# Altium PCB PCB.PcbDoc (part 1 of 2) (continued)
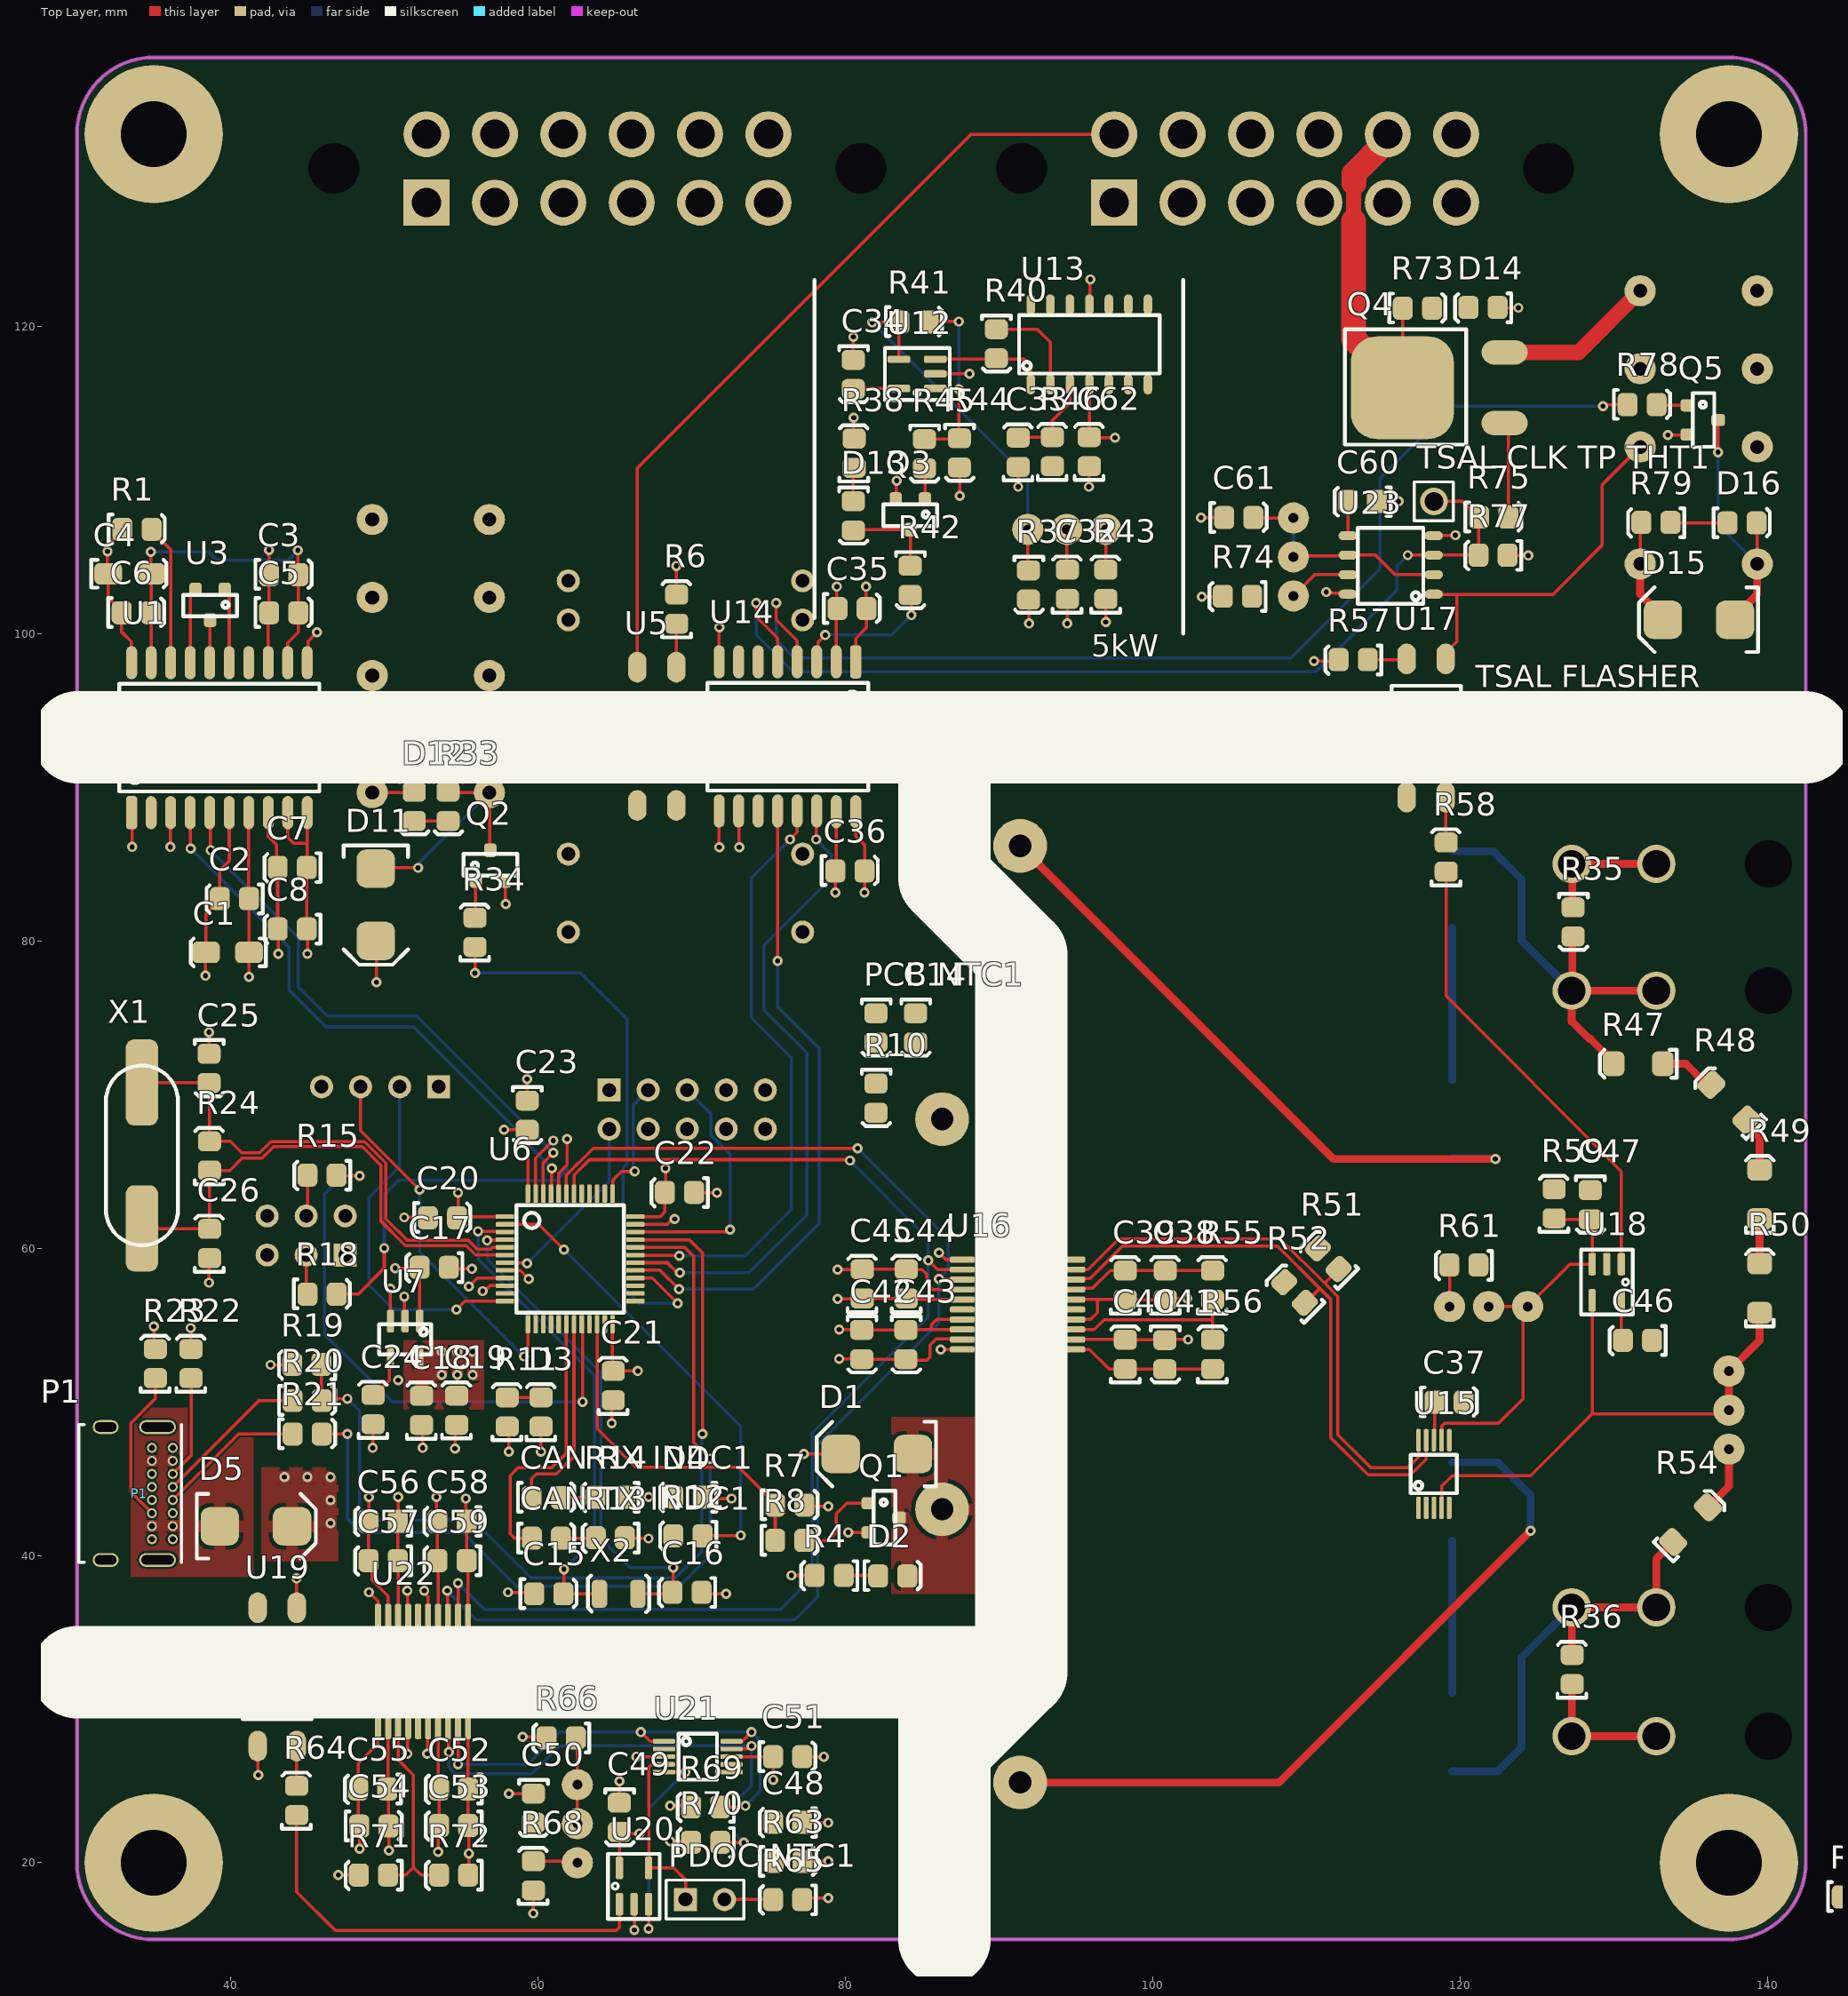
[diagram p0: Top Layer view]
## Classes and differential pairs (continued)

## Components (designator, comment, footprint, x,y, rotation, side; value= is the part's Value field where it differs from the comment)
1 "0mm" "SMD Test Point" 325.12,272.288 r90 top
2 "0mm" "SMD Test Point" 284.861,272.288 r90 top
3 "0mm" "SMD Test Point" 204.597,272.288 r90 top
4 "0mm" "TH Test Point" 298.953,94.631 r180 top
5 "0mm" "TH Test Point" 287.653,97.725 r180 top
BOOT1 "2.54mm" "TH 2.54mm Header 2x3" 47.46,59.553 r180 bottom
C1 "10nF" 1206 38.6,79.25 r180 top
C2 "100nF" 0805 40.238,82.724 r180 top
C3 "100nF" 0805 43.467,103.863 r0 top
C4 "10nF" 1206 34.63,103.892 r0 top
C5 "10uF" 0805 43.467,101.378 r0 top
C6 "100nF" 0805 33.876,101.378 r0 top
C7 "10uF" 0805 44,84.75 r180 top
C8 "100nF" 0805 44,80.75 r180 top
C9 "22pF" 0805 370.446,168.395 r0 top
C10 "100pF" 0805 375.9,156.8 r90 top
C11 "100pF" 0805 369.2,156.8 r90 top
C12 "100pF" 0805 375.921,163.2 r270 top
C13 "100pF" 0805 369.221,163.2 r270 top
C14 "100nF" 0805 84.6,74.323 r270 top
C15 "22pF" 0805 60.712,37.526 r0 top
C16 "22pF" 0805 69.688,37.574 r180 top
C17 "1uF" 0805 53.238,58.724 r180 top
C18 "100nF" 0805 52.4,49.45 r90 top
C19 "1uF" 0805 54.684,49.459 r90 top
C20 "1uF" 0805 53.8,62 r0 top
C21 "100nF" 0805 64.874,51.062 r90 top
C22 "100nF" 0805 69.2,63.6 r180 top
C23 "100nF" 0805 59.326,68.638 r270 top
C24 "22uF" 0805 49.25,49.5 r90 top
C25 "22pF" 0805 38.626,71.688 r270 top
C26 "22pF" 0805 38.605,60.312 r90 top
C27 "10uF" 0805 302.387,270.129 r0 top
C28 "22uF" 1206 307.34,269.875 r90 top
C29 "68uF" 2924 228.727,264.922 r90 top
C30 "22uF" 2924 236.22,264.922 r90 top
C31 "22uF" 1206 221.234,269.875 r90 top
C32 "100nF" 0805 94.424,103.212 r90 top
C33 "22uF" 0805 91.224,111.812 r90 top
C34 "100nF" 0805 80.55,116.85 r270 top
C35 "100nF" 0805 80.45,101.65 r0 top
C36 "100nF" 0805 80.312,84.576 r0 top
C37 "100nF" 0805 119.3,50 r0 top
C38 "10nF" 0805 100.8,57.6 r90 top
C39 "100nF" 0805 98.196,57.6 r90 top
C40 "10uF" 0805 98.196,53.1 r90 top
C41 "100nF" 0805 100.821,53.052 r270 top
C42 "100nF" 0805 81.1,53.713 r270 top
C43 "10uF" 0805 83.97,53.713 r270 top
C44 "100nF" 0805 83.949,57.687 r90 top
C45 "10nF" 0805 81.079,57.687 r90 top
C46 "100nF" 0805 131.538,53.974 r180 top
C47 "100nF" 0805 128.504,62.814 r270 top
C48 "100nF" 0805 76.238,22.6 r180 top
C49 "100nF" 0805 65.326,22.938 r270 top
C50 "100nF" 0805 59.726,23.538 r270 top
C51 "100nF" 0805 76.262,26.926 r0 top
C52 "10nF" 0805 54.5,24.774 r180 top
C53 "100nF" 0805 54.5,22.389 r180 top
C54 "10uF" 0805 49.334,22.41 r0 top
C55 "100nF" 0805 49.238,24.774 r180 top
C56 "100nF" 0805 49.912,42.2 r180 top
C57 "10uF" 0805 49.912,39.636 r180 top
C58 "100nF" 0805 54.401,42.2 r180 top
C59 "10nF" 0805 54.401,39.636 r180 top
C60 "100pF" 0805 113.638,108.574 r180 top
C61 "22uF" 0805 105.612,107.576 r0 top
C62 "100nF" 0805 95.85,111.85 r90 top
"CAN RX INDC1" "Blue" "0805 LED" 60.55,43.795 r0 top
"CAN RX TP1" "0mm" "SMD Test Point" 408.455,141.806 r90 top
"CAN TERM R1" "56R" 0805 370.397,170.807 r180 top
"CAN TERM R2" "56R" 0805 374.467,170.807 r180 top
"CAN TX INDC1" "Blue" "0805 LED" 60.562,41.145 r0 top
"CAN TX TP1" "0mm" "SMD Test Point" 424.457,141.806 r90 top
"CANH TP1" "0mm" "SMD Test Point" 382.547,141.806 r90 top
"CANL TP1" "0mm" "SMD Test Point" 382.7,152.9 r90 top
D1 "SD560BTR" "SMB Diode" 84.15,46.6 r180 top
D2 "Orange" "0805 LED" 83.1,38.695 r0 top
D3 "Red" "0805 LED" 60.179,49.35 r90 top
D4 "Red" "0805 LED" 69.75,43.774 r180 top
D5 "SD560BTR" "SMB Diode" 39.55,41.9 r0 top
D6 "SD560BTR" "SMB Diode" 255.397,265.049 r90 top
D7 "Red" "0805 LED" 192.786,270.129 r0 top
D8 "Red" "0805 LED" 197.993,270.129 r0 top
D9 "Green" "0805 LED" 351.469,529.564 r0 top
D10 "Green" "0805 LED" 298.9,515.7 r180 top
D11 "SD560BTR" "SMB Diode" 49.45,84.45 r270 top
D12 "Green" "0805 LED" 51.976,88.738 r270 top
D13 "Yellow" "0805 LED" 80.55,107.65 r270 top
D14 "Red" "0805 LED" 121.485,121.199 r180 top
D15 "SD560BTR" "SMB Diode" 137.65,100.9 r180 top
D16 "Red" "0805 LED" 138.362,107.226 r0 top
"DIS SIG ISO TP1" "0mm" "SMD Test Point" 163.5,9 r90 top
"DIS SIG TP1" "0mm" "SMD Test Point" 183.116,15.102 r90 top
F1 "0ZCF0100AF2A" 2920 248.793,262.128 r90 top
"GLV+ TP1" "0mm" "SMD Test Point" 288.925,269.875 r90 top
"GLV- TP1" "0mm" "SMD Test Point" 208.661,269.875 r90 top
"HV MC+1" "39300020" 39300020 132.776,76.756 r270 bottom
"HV MC-1" "39300020" 39300020 132.776,36.625 r270 bottom
"HV TEST POINT+1" "39300020" 39300020 132.776,85.006 r270 bottom
"HV TEST POINT-1" "39300020" 39300020 132.776,28.231 r270 bottom
"HVD Bypass1" "2.54mm" "TH 2.54mm Header 1x2" 309.813,526.262 r90 top
K1 "V23105A5475A201" "TI 2-DIL" 53.029,98.535 r90 bottom
K2 "V23105A5475A201" "TI 2-DIL" 135.532,113.42 r90 bottom
L1 "12uH" 1812 242.443,267.843 r90 top
P1 "USB4085-GF-A" USB4085-GF-A 32.206,44.158 r270 top
P2 "DTF13-12P" DTF13-12P 63.864,132.5 r0 bottom
P3 "DTF13-12P" DTF13-12P 108.614,132.5 r0 bottom
"PCB NTC1" "10K (NTC) (B25/85 3430K)" 0805 82.022,74.323 r270 top
"PDOC Bypass1" "2.54mm" "TH 2.54mm Header 1x2" 262.061,526.262 r90 top
"PDOC NTC1" "2.54mm" "TH 2.54mm Header 1x2" 69.6,17.6 r0 top
"PDOC TEMP AMP OUT TP1" "0mm" "SMD Test Point" 159.264,150.19 r270 top
"PDOC TEMP REF TP1" "0mm" "SMD Test Point" 164.1,147.8 r270 top
"POST AMP TP1" "0mm" "TH Test Point" 290.193,14.667 r180 top
PREAMP1 "0mm" "TH Test Point" 290.193,67.88 r180 top
Q1 "2N7002K" "ON SOT-23 MOSFET" 82.5,42.45 r270 top
Q2 "2N7002K" "ON SOT-23 MOSFET" 56.9,84.9 r0 top
Q3 "2N7002K" "ON SOT-23 MOSFET" 84.232,107.751 r180 top
Q4 "STD70N10F4" "STM TO-252 MOSFET" 122.9,118.3 r270 top
Q5 "2N7002K" "ON SOT-23 MOSFET" 135.8,113.9 r270 top
R1 "0R" 0805 33.919,106.813 r0 top
R2 "1k" "B TO-263" 109.3,68.4 r270 bottom
R3 "1k" "B TO-263" 109.3,83.4 r270 bottom
R4 "1.5k" 0805 78.938,38.674 r180 top
R5 "1k" "B TO-263" 109.3,28.501 r270 bottom
R6 "1.5k" 0805 69,101.6 r90 top
R7 "680R" 0805 76.4,43.3 r0 top
R8 "10R" 0805 76.4,41 r0 top
R9 "1k" "B TO-263" 109.3,43.501 r270 bottom
R10 "10k" 0805 82.022,69.75 r270 top
R11 "510R" 0805 57.974,49.35 r90 top
R12 "510R" 0805 69.75,41.25 r180 top
R13 "680R" 0805 64.7,41.124 r180 top
R14 "680R" 0805 64.688,43.774 r180 top
R15 "10k" 0805 45.938,64.724 r180 top
R16 "5.1k" 0805 396.2,456.7 r0 top
R17 "5.1k" 0805 396.43,454.516 r0 top
R18 "10k" 0805 45.962,57.026 r0 top
R19 "1.5k" 0805 44.952,52.4 r180 top
R20 "20R" 0805 45,50.1 r0 top
R21 "20R" 0805 45,47.926 r0 top
R22 "5.1k" 0805 37.4,52.5 r90 top
R23 "5.1k" 0805 35.084,52.5 r90 top
R24 "10M" 0805 38.605,66.012 r90 top
R25 "680R" 0805 181.102,270.129 r0 top
R26 "510R" 0805 186.944,270.129 r0 top
R27 "680R" 0805 339.658,529.564 r0 top
R28 "100R" 0805 333.816,529.564 r0 top
R29 "10k" 0805 327.974,529.564 r0 top
R30 "680R" 0805 298.9,513.3 r180 top
R31 "100R" 0805 297.7,534.15 r90 top
R32 "10k" 0805 300.426,534.102 r270 top
R33 "680R" 0805 54.176,88.738 r270 top
R34 "10R" 0805 55.874,80.562 r90 top
R35 "15k" 0805 127.384,81.217 r270 top
R36 "15k" 0805 127.274,32.587 r90 top
R37 "10k" 0805 91.95,103.15 r270 top
R38 "1.5k" 0805 80.55,111.75 r90 top
R39 "10K (Var)" "B 3296" 94.501,106.226 r0 bottom
R40 "5.6k" 0805 89.85,118.85 r270 top
R41 "1M" 0805 84.484,120.305 r0 top
R42 "100R" 0805 84.25,103.45 r270 top
R43 "10k" 0805 96.924,103.212 r90 top
R44 "3k" 0805 87.45,111.75 r270 top
R45 "10R" 0805 85.176,111.688 r270 top
R46 "5.6k" 0805 93.45,111.85 r90 top
R47 "330K" "VB 0204" 131.6,72 r180 top
R48 "330K" "VB 0204" 137.5,69.5 r135 top
R49 "330K" "VB 0204" 139.5,63.5 r90 top
R50 "330K" "VB 0204" 139.5,57.4 r90 top
R51 "5.6k" 0805 111.4,59.3 r135 top
R52 "5.6k" 0805 109.2,57.1 r135 top
R53 "10K (Var)" "B 3296" 138.059,49.546 r90 bottom
R54 "10K" "VB 0204" 135,42 r45 top
R55 "30k" 0805 103.875,57.6 r90 top
R56 "10k" 0805 103.875,53.1 r90 top
R57 "3k" 0805 113.038,98.274 r180 top
R58 "1.5k" 0805 119.074,85.462 r90 top
R59 "10k" 0805 126.1,62.9 r90 top
R60 "10K (Var)" "B 3296" 121.774,56.759 r180 bottom
R61 "10k" 0805 120.238,58.874 r180 top
R62 "3k" 0805 145.8,17.8 r0 top
R63 "2k" 0805 76.286,20.1 r0 top
R64 "680R" 0805 44.274,24.062 r90 top
R65 "10k" 0805 76.238,17.574 r180 top
R66 "10k" 0805 61.5,28.1 r180 top
R67 "10K (Var)" "B 3296" 62.004,22.446 r270 bottom
R68 "10k" 0805 59.674,19.162 r90 top
R69 "5.6k" 0805 70.9,23.6 r180 top
R70 "5.6k" 0805 70.9,21.3 r180 top
R71 "30k" 0805 49.286,19.174 r180 top
R72 "10k" 0805 54.5,19.174 r180 top
R73 "1.5k" 0805 117.243,121.199 r0 top
R74 "5.1k" 0805 105.5,102.4 r180 top
R75 "10R" 0805 122.2,107.6 r0 top
R76 "10K (Var)" "B 3296" 108.6,104.9 r270 bottom
R77 "20k" 0805 122.138,105.074 r180 top
R78 "10R" 0805 131.862,114.926 r0 top
R79 "1.5k" 0805 132.738,107.205 r180 top
"SENSOR TP1" "0mm" "TH Test Point" 301.493,110.379 r180 top
SERIAL1 "2.54mm" "TH 2.54mm Header 1x4" 53.54,70.5 r180 bottom
STLINK1 "2.54mm" "TH 2.54mm Header 2x5" 64.63,70.29 r0 bottom
"TSAL CLK TP SMD1" "0mm" "SMD Test Point" 317.989,358.745 r90 top
"TSAL CLK TP THT1" "0mm" "TH Test Point" 118.3,108.6 r270 top
"TSAL REF TP1" "0mm" "TH Test Point" 154.401,58.65 r90 top
"TSAL RELAY TP1" "0mm" "SMD Test Point" 203.689,358.745 r90 top
U1 "ADM3053" "AD SOIC-W 20" 39.276,93.222 r0 top
U2 "B82787C0104H002" "TDK 4-PC Pad" 371.331,157.685 r90 top
U3 "NUP2105L" "ON SOT-23" 38.669,101.87 r180 top
U4 "3350-4275-056" "CI SPST" 86.3,55.7 r90 bottom
U5 "LTV-817S-TA1" "ON 4-SMD" 67.737,93.062 r270 top
U6 "STM32F103C8T6" "STM 48-LQFP" 62.1,59.3 r270 top
U7 "RT9193-33GB" "RICHTEK SOT-23-5" 51.3,54.25 r180 top
U8 "R-78C5.0-1.0" "RECOM 3-SIP" 318.77,262.636 r90 top
U9 "JTC0424S05" "24-DIP Module, 7 Leads" 69.6,92 r270 bottom
U10 "LTV-817S-TA1" "ON 4-SMD" 345.881,525.246 r90 top
U11 "LTV-817S-TA1" "ON 4-SMD" 299.145,525.246 r90 top
U12 "TS391ILT" "ON SOT-23-5" 86.825,115.325 r90 top
U13 "LM324D" "TI 14-SOIC" 111.12,113.618 r0 top
U14 "ADuM1400" "AD 16-SOIC" 74.965,93.279 r180 top
U15 "ADS1115" "TI 10-VSSOP" 118.3,45.3 r90 top
U16 "ADM3260" "AD 20-SSOP" 91.206,56.328 r270 top
U17 "LTV-817S-TA1" "ON 4-SMD" 117.8,94.1 r90 top
U18 "TS391ILT" "ON SOT-23-5" 131.125,59.937 r180 top
U19 "LTV-817S-TA1" "ON 4-SMD" 43.036,32.346 r90 top
U20 "TS391ILT" "ON SOT-23-5" 64.675,16.325 r0 top
U21 "ADS1115" "TI 10-VSSOP" 70.4,26.9 r0 top
U22 "ADM3260" "AD 20-SSOP" 52.524,32.446 r180 top
U23 "NE555DR" "TI 8-SOIC" 108.611,105.1 r180 top
X1 "Value" "Abracon HC-49/US" 34.231,66.035 r90 top
X2 "32.768kHz" "EPSON 2-SMD" 65.25,37.5 r0 top

## Footprints (in the part's own frame and the unit in brackets; to place one, negate y for a bottom-side part, rotate by r counter-clockwise, add the part's x,y. Pads: shape width x height; smd on the part's side, far side on the other; paste and mask are expansions set on the pad)
"24-DIP Module, 7 Leads" [mm]
  round 1.5 hole 0.9: 2(-11.43,-7.62) 3(-8.89,-7.62) 9(6.35,-7.62) 11(11.43,-7.62) 14(11.43,7.62) 16(6.35,7.62) 22(-8.89,7.62) 23(-11.43,7.62)
  silkscreen extent -15.88,-10.16 15.88,10.16, body extent -15.88,-10.16 15.87,10.16, height 10.41
0805 [mm]
  rrect50% 1.3x1.5 smd: 1(-0.962,-0.026) 2(0.938,-0.026)
  silkscreen extent -1.85,-0.95 1.8,0.93, body extent -1,-0.65 1,0.66, height 0.73
"0805 LED" [mm]
  rrect50% 1.3x1.5 smd: A(-0.962,-0.026) K(0.938,-0.026)
  silkscreen extent -1.85,-0.95 1.8,0.93, body extent -1.1,-0.62 0.9,0.62, height 1
1206 [mm]
  rrect50% 1.8x1.4 smd: 1(-2.6,0) 2(0.2,0)
  silkscreen extent -3.7,-0.9 1.2,0.9, body extent -2.9,-0.9 0.5,0.9, height 1.85
1812 [mm]
  rrect50% 2.2x3.5 smd: 1(-1.8,0) 2(1.8,0)
  silkscreen extent -3.25,-1.75 3.25,1.75, body extent -2.25,-1.6 2.25,1.6, height 2.5
2920 [mm]
  rrect50% 2.3x5.6 smd: 1(0,0) 2(7.3,0)
  silkscreen extent -1.4,-3 9,3, body extent -0.34,-2.81 7.64,2.81, height 1.14
2924 [mm]
  rrect50% 3x6 smd: 1(-3.75,0) 2(3.85,0)
  silkscreen extent -5.75,-3 6.15,3, body extent -3.94,-2.81 4.04,2.81, height 1.14
39300020 [mm]
  round 2.5 hole 1.8: 1(0,0) 2(0,5.5)
  round 1.524 hole 3.05: ""(0,-7.3)
  body extent -2.7,-13.97 3.1,5.97, height 11.4
"Abracon HC-49/US" [mm]
  rrect50% 5.6x2.1 smd: 1(-4.75,0) 2(4.75,0)
  silkscreen extent -5.85,-2.35 5.85,2.35, body extent -6.35,-2.35 6.35,2.35, height 4.06
"AD 16-SOIC" [mil]
  rrect50% 28x85 smd: 1(-225,-192.02)
  oval 28x85 smd: 2(-175,-192.02) 3(-125,-192.02) 4(-75,-192.02) 5(-25,-192.02) 6(25,-192.02) 7(75,-192.02) 8(125,-192.02) 9(125,190) 10(75,189.96) 11(25,189.96) 12(-25,189.96) 13(-75,189.96) 14(-125,189.96) 15(-175,191.98) 16(-225,191.98)
  silkscreen extent -257,-138 155,138, body extent -256,-209 156,209, height 104
"AD 20-SSOP" [mm]
  rrect50% 0.4x1.6 smd: 1(-2.925,-3.6) 2(-2.275,-3.6) 3(-1.625,-3.6) 4(-0.975,-3.6) 5(-0.325,-3.6) 6(0.325,-3.6) 7(0.975,-3.6) 8(1.625,-3.6) 9(2.275,-3.6) 10(2.925,-3.6) 11(2.925,3.6) 12(2.275,3.6) 13(1.625,3.6) 14(0.975,3.6) 15(0.325,3.6) 16(-0.325,3.6) 17(-0.975,3.6) 18(-1.625,3.6) 19(-2.275,3.6) 20(-2.925,3.6)
  silkscreen extent -3.5,-2.5 3.5,2.5, body extent -3.64,-3.9 3.56,3.9, height 1.2
"AD SOIC-W 20" [mil]
  rrect50% 28x85 smd: 1(-225,-192.02)
  oval 28x85 smd: 2(-175,-192.02) 3(-125,-192.02) 4(-75,-192.02) 5(-25,-192.02) 6(25,-192.02) 7(75,-192.02) 8(125,-192.02) 9(175,-192.02) 10(225,-192.02) 11(225,192.02) 12(175,191.98) 13(125,191.98) 14(75,191.98) 15(25,191.98) 16(-25,191.98) 17(-75,191.98) 18(-125,191.98) 19(-175,191.98) 20(-225,191.98)
  silkscreen extent -257,-138 256,138, body extent -260,-210 260,210, height 105
"B 3296" [mil]
  round 80 hole 25.2: 1(-103.39,-22) 2(-3.39,-22) 3(96.61,-22)
  silkscreen extent -193,-97 187,143, body extent -191,-97 184,143, height 455
"B TO-263" [mm]
  rrect50% 2x3.8 smd: 1(-2.55,-10.2) 2(2.55,-10.2)
  rrect50% 12.7x11.4 smd: ""(0,0)
  silkscreen extent -6.8,-10.56 6.75,6.1, body extent -5.19,-11.02 5.45,4.83, height 4.8
"CI SPST" [mm]
  round 3.5 hole 1.45: 1(30.48,5.08) 2(12.7,0) 3(-12.7,0) 4(-30.48,5.08)
  silkscreen extent -38.73,-8.26 38.73,13.97, body extent -38.1,-4.45 38.1,13.34, height 20.57
DTF13-12P [mm]
  round 3 hole 3.3 unplated: 0(-17.145,2.22) 0(17.145,2.22)
  rect 3x3 hole 1.9: 1(-11.114,4.45)
  round 3 hole 1.9: 2(-6.664,4.45) 3(-2.214,4.45) 4(2.236,4.45) 5(6.686,4.45) 6(11.136,4.45) 7(11.136,0) 8(6.686,0) 9(2.236,0) 10(-2.214,0) 11(-6.664,0) 12(-11.114,0)
  silkscreen extent -15.56,-4.45 15.59,-4.45, body extent -20.79,-27.74 20.79,6.55, height 26.13
"EPSON 2-SMD" [mm]
  rrect50% 1x1.8 smd: 1(-1.25,0) 2(1.25,0)
  silkscreen extent -2,-1.2 2,1.2, body extent -1.5,-1 1.5,1, height 1
"ON 4-SMD" [mm] "SOP, 4-Leads, Body 3.85x4.4mm, Pitch 2.54mm, IPC Medium Density"
  oval 2x1.2 smd: 1(-4.75,1.27) 2(-4.75,-1.27) 3(4.25,-1.27) 4(4.25,1.27)
  silkscreen extent -3,-2.25 2.5,2.25, body extent -5.33,-2.3 4.83,2.3, height 4.6
"ON SOT-23" [mm] "NUP2105L"
  rrect50% 0.8x0.9 smd: 1(-0.95,-1) 2(0.95,-1) 3(0,1)
  silkscreen extent -1.75,-0.65 1.75,0.75, body extent -1.5,-1.27 1.5,1.28, height 1
"ON SOT-23 MOSFET" [mm] "NUP2105L"
  rrect50% 0.8x0.9 smd: D(0,1) G(-0.95,-1) S(0.95,-1)
  silkscreen extent -1.75,-0.65 1.75,0.75, body extent -1.5,-1.27 1.5,1.28, height 1
"ON SOT-23-5" [mil]
  rrect50% 19x58 smd: 1(24.61,38.39) 2(62.01,38.39) 3(99.41,38.39) 4(99.41,131.39) 5(24.61,131.39)
  silkscreen extent -5,1 128,167, body extent 2,27 122,145, height 57
"RECOM 3-SIP" [mm] "12 to 42 Vdc In, 9 Vdc Out"
  rect 1.75x1.75 hole 1: 1(0,0)
  round 1.75 hole 1: 2(2.54,0) 3(5.08,0)
  silkscreen extent -3.5,-2 8.5,6.5, body extent -3.26,-2.02 8.34,6.48, height 11.41
"RICHTEK SOT-23-5" [mil]
  rrect50% 19x58 smd: 1(-39.37,-39.37) 2(-1.97,-39.37) 3(35.43,-39.37) 4(35.43,53.63) 5(-39.37,53.63)
  silkscreen extent -69,-31 64,46, body extent -62,-51 58,67, height 57
"SMB Diode" [mm]
  rrect50% 2.5x2.5 smd: A(-0.25,0) K(4.45,0)
  silkscreen extent -1.75,-2.1 6,2.1, body extent -0.69,-1.97 4.9,1.97, height 2.5
"SMD Test Point" [mm]
  round 1.8 smd: 1(0,0)
  silkscreen extent -1.27,-1.27 1.27,1.27
"STM 48-LQFP" [mm]
  rrect50% 0.3x1.2 smd: 1(-2.75,-4.25) 2(-2.25,-4.25) 3(-1.75,-4.25) 4(-1.25,-4.25) 5(-0.75,-4.25) 6(-0.25,-4.25) 7(0.25,-4.25) 8(0.75,-4.25) 9(1.25,-4.25) 10(1.75,-4.25) 11(2.25,-4.25) 12(2.75,-4.25) 25(2.75,4.25) 26(2.25,4.25) 27(1.75,4.25) 28(1.25,4.25) 29(0.75,4.25) 30(0.25,4.25) 31(-0.25,4.25) 32(-0.75,4.25) 33(-1.25,4.25) 34(-1.75,4.25) 35(-2.25,4.25) 36(-2.75,4.25)
  rrect50% 1.2x0.3 smd: 13(4.25,-2.75) 14(4.25,-2.25) 15(4.25,-1.75) 16(4.25,-1.25) 17(4.25,-0.75) 18(4.25,-0.25) 19(4.25,0.25) 20(4.25,0.75) 21(4.25,1.25) 22(4.25,1.75) 23(4.25,2.25) 24(4.25,2.75) 37(-4.25,2.75) 38(-4.25,2.25) 39(-4.25,1.75) 40(-4.25,1.25) 41(-4.25,0.75) 42(-4.25,0.25) 43(-4.25,-0.25) 44(-4.25,-0.75) 45(-4.25,-1.25) 46(-4.25,-1.75) 47(-4.25,-2.25) 48(-4.25,-2.75)
  silkscreen extent -3.5,-3.5 3.5,3.5, body extent -4.6,-4.6 4.6,4.6, height 1.6
"STM TO-252 MOSFET" [mm]
  rrect50% 6.7x6.7 smd: D(2.3,-6.65)
  oval 1.6x3 smd: G(4.6,0) S(0,0)
  silkscreen extent -1.5,-10.4 6,-2.5, body extent -1.08,-9.67 5.64,0.75, height 2.39
"TDK 4-PC Pad" [mm]
  rrect50% 1.35x0.9 smd: 1(0,0) 2(0,-2.5) 3(4.55,-2.5) 4(4.55,0)
  silkscreen extent -1,-3.2 5.5,0.7, body extent -0.02,-2.82 4.48,0.38, height 2.8
"TH 2.54mm Header 1x2" [mm]
  rect 1.5x1.5 hole 0.9: 1(0,0)
  round 1.5 hole 0.9: 2(2.54,0)
  silkscreen extent -1.27,-1.27 3.81,1.27
"TH 2.54mm Header 1x4" [mm]
  rect 1.5x1.5 hole 0.9: 1(0,0)
  round 1.5 hole 0.9: 2(2.54,0) 3(5.08,0) 4(7.62,0)
  silkscreen extent -1.27,-1.27 8.89,1.27
"TH 2.54mm Header 2x3" [mm]
  rect 1.5x1.5 hole 0.9: 1(0,0)
  round 1.5 hole 0.9: 2(0,2.54) 3(2.54,0) 4(2.54,2.54) 5(5.08,0) 6(5.08,2.54)
  silkscreen extent -1.27,-1.27 6.35,3.81
"TH 2.54mm Header 2x5" [mm]
  rect 1.5x1.5 hole 0.9: 1(0,0)
  round 1.5 hole 0.9: 2(0,2.54) 3(2.54,0) 4(2.54,2.54) 5(5.08,0) 6(5.08,2.54) 7(7.62,0) 8(7.62,2.54) 9(10.16,0) 10(10.16,2.54)
  silkscreen extent -1.27,-1.27 11.43,3.81
"TH Test Point" [mm]
  round 1.8 hole 1.2: 1(0,0)
  silkscreen extent -1.27,-1.27 1.27,1.27
"TI 2-DIL" [mil]
  round 80 hole 35.43: 1(-350,-150) 4(-50,-150) 6(150,-150) 8(350,-150) 9(350,150) 11(150,150) 13(-50,150) 16(-350,150)
  silkscreen extent -400,-200 400,200, body extent -398,-197 398,197, height 450
"TI 8-SOIC" [mm]
  oval 1.2x0.6 smd: 1(-9.677,2.54) 2(-9.677,1.27) 3(-9.677,0) 4(-9.677,-1.27) 5(-4.089,-1.27) 6(-4.089,0) 7(-4.089,1.27) 8(-4.089,2.54)
  silkscreen extent -9,-1.78 -4.75,3.18, body extent -9.96,-1.87 -3.76,3.14, height 1.76
"TI 10-VSSOP" [mm]
  rrect50% 1.45x0.3 smd: 1(-2.2,1) 2(-2.2,0.5) 3(-2.2,0) 4(-2.2,-0.5) 5(-2.2,-1) 6(2.2,-1) 7(2.2,-0.5) 8(2.2,0) 9(2.2,0.5) 10(2.2,1)
  silkscreen extent -1.25,-1.5 1.25,1.5, body extent -2.45,-1.5 2.45,1.5, height 1.12
"TI 14-SOIC" [mil]
  oval 22x52 smd: 1(-750,102.36) 2(-700,102.36) 3(-650,102.36) 4(-600,102.36) 5(-550,102.36) 6(-500,102.36) 7(-450,102.36) 8(-450,307.09) 9(-500,307.09) 10(-550,307.09) 11(-600,307.09) 12(-650,307.09) 13(-700,307.09) 14(-750,307.09)
  silkscreen extent -780,130 -420,280, body extent -770,86 -430,323, height 69
USB4085-GF-A [mm]
  round 0.65 hole 0.4: A1(-2.848,4.025) A4(-1.998,4.025) A5(-1.148,4.025) A6(-0.298,4.025) A7(0.552,4.025) A8(1.402,4.025) A9(2.252,4.025) A12(3.102,4.025) B1(3.102,2.675) B4(2.252,2.675) B5(1.402,2.675) B6(0.552,2.675) B7(-0.298,2.675) B8(-1.148,2.675) B9(-1.998,2.675) B12(-2.848,2.675)
  oval 0.9x2.4 hole 0.6 slot 2.1 at 90 deg: P1(-4.198,3.045) P2(4.452,3.045)
  oval 0.9x1.7 hole 0.6 slot 1.4 at 90 deg: P3(4.452,-0.335) P4(-4.198,-0.335)
  silkscreen extent -4.35,-2.07 4.6,4.58, body extent -4.39,-4.56 4.64,4.61, height 3.46
"VB 0204" [mm]
  rrect50% 1.4x1.6 smd: 1(-1.6,0) 2(1.6,0)
  silkscreen extent -2.5,-0.9 2.5,0.9, body extent -1.8,-0.7 1.8,0.7, height 1.4

## Part data
1 2 3 "CAN RX TP1" "CAN TX TP1" "CANH TP1" "CANL TP1" "DIS SIG ISO TP1" "DIS SIG TP1" "GLV+ TP1" "GLV- TP1" "PDOC TEMP AMP OUT TP1" "PDOC TEMP REF TP1" "TSAL CLK TP SMD1" "TSAL RELAY TP1": library part "SMD Test Point", Angle=0, Contact=NA, Flange=No, Part Number="SMD Test Point", Pitch=0mm, Positions=1, Row Spacing=0
4 5 "POST AMP TP1" PREAMP1 "SENSOR TP1" "TSAL CLK TP THT1" "TSAL REF TP1": library part "TH Test Point", Angle=0, Contact=NA, Flange=No, Part Number="TH Test Point", Pitch=0mm, Positions=1, Row Spacing=0mm
BOOT1: library part "TH 2.54mm Header 2x3", Angle=0, Contact=NA, Flange=No, Part Number="TH 2.54mm Header 2x3", Pitch=2.54mm, Positions=6, Row Spacing=2.54mm
C1 C4: library part GCM3195C2A103JA16D, Digikey Part Number=490-4978-2-ND, Manufacturer=muRata, Rated Voltage=100V, Tolerance=5%, Material=Ceramic, Part Number=GCM3195C2A103JA16D
C2 C3 C6 C8 C14 C18 C21 C22 C23 C32 C34 C35 C36 C37 C39 C41 C42 C44 C46 C47 C48 C49 C50 C51 C53 C55 C56 C58 C62: library part GCM21BR71E104KA37L, Manufacturer=muRata, Rated Voltage=25V, Tolerance=10%, Material=X7R, Part Number=GCM21BR71E104KA37L
C5 C7 C27 C40 C43 C54 C57: library part GRM21BR6YA106KE43L, Digikey Part Number=490-10514-6-ND, Manufacturer=muRata, Rated Voltage=50V, Tolerance=10%, Material=X5R, Part Number=GRM21BR6YA106KE43L
C9 C15 C16 C25 C26: library part GCM21B5C1H220JA37L, Manufacturer=muRata, Rated Voltage=50V, Tolerance=5%, Material=C0G, Part Number=GCM21B5C1H220JA37L
C10 C11 C12 C13 C60: library part GCM21B5C1H101JA37L, Manufacturer=muRata, Rated Voltage=50V, Tolerance=5%, Material=C0G, Part Number=GCM21B5C1H101JA37L
C17 C19 C20: library part AC0805KKX7R8BB105, Manufacturer=YAGEO, Rated Voltage=25V, Tolerance=10%, Material=X7R, Part Number=AC0805KKX7R8BB105
C24 C33 C61: library part GRM21BR61A226ME51L, Digikey Part Number=490-10511-1-ND, Manufacturer=muRata, Rated Voltage=10V, Tolerance=20%, Material=X5R, Part Number=GRM21BR61A226ME51L
C28 C31: library part CC1206MKX5R7BB226, Digikey Part Number=311-1997-2-ND, Manufacturer=YAGEO, Rated Voltage=16V, Tolerance=20%, Material=Ceramic, Part Number=CC1206MKX5R7BB226
C29: library part TAJV686K035RNJ, Digikey Part Number=478-13135-1-ND, Manufacturer="AVX Corporation", Rated Voltage=35V, Tolerance=10%, Material=Tantalum, Part Number=TAJV686K035RNJ
C30: library part TAJV226K050RNJ, Digikey Part Number=478-5811-1-ND, Manufacturer="AVX Corporation", Rated Voltage=50V, Tolerance=10%, Material=Tantalum, Part Number=TAJV226K050RNJ
C38 C45 C52 C59: library part GCM21BR71H103KA37L, Manufacturer=muRata, Rated Voltage=50V, Tolerance=10%, Material=X7R, Part Number=GCM21BR71H103KA37L
"CAN RX INDC1" "CAN TX INDC1": library part SML-MN2BCTT86C, "LED BLUE CLEAR 2012 SMD", Digikey Part Number=846-1207-1-ND, Manufacturer="ROHM Semiconductor", Colour=Blue, Digikey Link=https://www.digikey.com/product-detail/en/rohm-semiconductor/SMLMN2BCTT86C/846-1207-1-ND/6057239, Part Number=SML-MN2BCTT86C
"CAN TERM R1" "CAN TERM R2": library part RC0805FR0756RL, Manufacturer=YAGEO, Rated Voltage=0.125W, Tolerance=0.01, Material=FR-07, Part Number=RC0805FR0756RL
D1 D5 D6 D11 D15: "1.2V_F 600V 5A SMB", Digikey Part Number=1655-1530-2-ND, Manufacturer="SMC Diode Solutions", Digikey Link=https://www.digikey.com/product-detail/en/smc-diode-solutions/SD560BTR/1655-1530-2-ND/6022620, Part Number=SD560BTR
D2: library part SML-211DTT86, "Orange LED Indication - Discrete 1.75V 0805 (2012 Metric)", Digikey Part Number=511-1291-1-ND, Manufacturer="ROHM Semiconductor", Colour=Orange, Digikey Link=https://www.digikey.com/product-detail/en/rohm-semiconductor/SML-211DTT86/511-1291-1-ND/637104, Part Number=SML-211DTT86
D3 D4 D7 D8 D14 D16: library part SML-210LTT86, "Red LED Indication - Discrete 1.75V 0805 (2012 Metric)", Digikey Part Number=511-1286-1-ND, Manufacturer="ROHM Semiconductor", Colour=Red, Digikey Link=https://www.digikey.com/product-detail/en/rohm-semiconductor/SML-210LTT86/511-1286-1-ND/637099, Part Number=SML-210LTT86
D9 D10 D12: library part SML-210FTT86, "Green LED Indication - Discrete 1.75V 0805 (2012 Metric)", Digikey Part Number=511-1285-1-ND, Manufacturer="ROHM Semiconductor", Colour=Green, Digikey Link=https://www.digikey.com/product-detail/en/rohm-semiconductor/SML-210FTT86/511-1285-1-ND/637098, Part Number=SML-210FTT86
D13: library part SML-211YTT86, "Yellow LED Indication - Discrete 1.75V 0805 (2012 Metric)", Digikey Part Number=511-1293-1-ND, Manufacturer="ROHM Semiconductor", Colour=Yellow, Digikey Link=https://www.digikey.com/product-detail/en/rohm-semiconductor/SML-211YTT86/511-1293-1-ND/637106, Part Number=SML-211YTT86
F1: "PTC RESET FUSE 60V 1A 292", Digikey Part Number=507-2070-1-ND, Manufacturer="Littelfuse Inc.", Digikey Link=https://www.digikey.com/product-detail/en/bel-fuse-inc/0ZCF0100AF2A/507-2070-1-ND/6210547, Part Number=0ZCF0100AF2A
"HV MC+1" "HV MC-1" "HV TEST POINT+1" "HV TEST POINT-1": Digikey Part Number=WM21351-ND, Angle=90, Contact=Tin, Flange=No, Part Number=39300020, Pitch=4.2mm, Positions=2, Row Spacing=5.5mm
"HVD Bypass1" "PDOC Bypass1" "PDOC NTC1": library part "TH 2.54mm Header 1x2", Angle=0, Contact=NA, Flange=No, Part Number="TH 2.54mm Header 1x2", Pitch=2.54mm, Positions=2, Row Spacing=2.54mm
K1 K2: "5V DPDT Relay 3A 220VDC", Digikey Part Number=PB383-ND, Manufacturer=Axicom, Digikey Link=https://www.digikey.com/products/en?mpart=V23105A5001A201&v=41, Part Number=V23105A5475A201
L1: library part RLS-126, Digikey Part Number=945-3429-ND, Manufacturer=Recom, Rated Current=800mA, Tolerance=0.2, Impedence=230mOhm, Inductance=12uH, Material=Wirewound, Part Number=RLS-126
P1: "USB - C (Type - C) USB 2.0 Receptacle Connector 16 Position Through Hole, Right Angle", Digikey Part Number=2073-USB4085-GF-ACT-ND, Angle=90, Digikey Link=https://www.digikey.ee/product-detail/en/gct/USB4085-GF-A/2073-USB4085-GF-ACT-ND/9859733, Part Number=USB4085-GF-A
P2 P3: library part DTF13-12P[[/\]]DTF13-12P, Digikey Part Number=1734-1861-ND, Angle=90, Contact=Nickel, Digikey Link=https://www.digikey.com/product-detail/en/te-connectivity-deutsch-connectors/DTF13-12PA/1734-1861-ND/9744662, Flange=Yes, Part Number=DTF13-12P, Pitch=4.45mm, Positions=12, Row Spacing=4.45mm
"PCB NTC1": library part NTCS0805E3103FLT, Digikey Part Number=BC2733CT-ND, Manufacturer="Vishay Beyschlag", Rated Voltage=210mW, Tolerance=0.01, Part Number=NTCS0805E3103FLT
Q1 Q2 Q3 Q5: "60V 380mA, NFET MOSTFET (Small Signal)", Digikey Part Number=2N7002KCT-ND, Manufacturer="ON Semiconductor", Digikey Link=https://www.digikey.com/product-detail/en/on-semiconductor/2N7002K/2N7002KCT-ND/2060375, LatestRevisionDate=29-May-2009, LatestRevisionNote="IPC-7351 Footprint Added.", PackageDescription="4-Pin SOT-343 Package 1.3 mm Pitch, 2.1 mm Lead Span", PackageReference=SOT-343, PackageVersion=Sep-2000, Part Number=2N7002K, Published=24-Mar-1999, Publisher="Altium Limited", Qty=30
Q4: "N-Channel 100V 60A (Tc) 125W (Tc) Surface Mount DPAK", Digikey Part Number=497-8806-2-ND, Manufacturer=STMicroelectronics, Digikey Link=https://www.digikey.com/product-detail/en/stmicroelectronics/STD70N10F4/497-8806-2-ND/2035599, LatestRevisionDate=29-May-2009, LatestRevisionNote="IPC-7351 Footprint Added.", PackageDescription="4-Pin SOT-343 Package 1.3 mm Pitch, 2.1 mm Lead Span", PackageReference=SOT-343, PackageVersion=Sep-2000, Part Number=STD70N10F4, Published=24-Mar-1999, Publisher="Altium Limited"
R1: library part RC0805FR070RL, Manufacturer=YAGEO, Rated Voltage=0.125W, Tolerance=0.01, Material=FR-07, Part Number=RC0805FR070RL
R2 R3 R5 R9: library part PWR263S-35-1001J, Digikey Part Number=PWR263S-35-1001J-ND, Manufacturer="Bournes Inc", Rated Voltage=35W, Tolerance=0.05, Part Number=PWR263S-35-1001J
R4 R6 R19 R38 R58 R73 R79: library part RC0805FR071K5L, Manufacturer=YAGEO, Rated Voltage=0.125W, Tolerance=0.01, Material=FR-07, Part Number=RC0805FR071K5L
R7 R13 R14 R25 R27 R30 R33 R64: library part RC0805FR07680RL, Manufacturer=YAGEO, Rated Voltage=0.125W, Tolerance=0.01, Material=FR-07, Part Number=RC0805FR07680RL
R8 R34 R45 R75 R78: library part RC0805FR0710RL, Manufacturer=YAGEO, Rated Voltage=0.125W, Tolerance=0.01, Material=FR-07, Part Number=RC0805FR0710RL
R10 R15 R18 R29 R32 R37 R43 R56 R59 R61 R65 R66 R68 R72: library part RC0805FR0710KL, Manufacturer=YAGEO, Rated Voltage=0.125W, Tolerance=0.01, Material=FR-07, Part Number=RC0805FR0710KL
R11 R12 R26: library part RC0805FR07510RL, Manufacturer=YAGEO, Rated Voltage=0.125W, Tolerance=0.01, Material=FR-07, Part Number=RC0805FR07510RL
R16 R17 R22 R23 R74: library part RC0805FR075K1L, Manufacturer=YAGEO, Rated Voltage=0.125W, Tolerance=0.01, Material=FR-07, Part Number=RC0805FR075K1L
R20 R21: library part RC0805FR0720RL, Manufacturer=YAGEO, Rated Voltage=0.125W, Tolerance=0.01, Material=FR-07, Part Number=RC0805FR0720RL
R24: library part RC0805FR0710ML, Manufacturer=YAGEO, Rated Voltage=0.125W, Tolerance=0.01, Material=FR-07, Part Number=RC0805FR0710ML
R28 R31 R42: library part RC0805FR07100RL, Manufacturer=YAGEO, Rated Voltage=0.125W, Tolerance=0.01, Material=FR-07, Part Number=RC0805FR07100RL
R35 R36: library part RC0805FR0715KL, Manufacturer=YAGEO, Rated Voltage=0.125W, Tolerance=0.01, Material=FR-07, Part Number=RC0805FR0715KL
R39 R53 R60 R67 R76: library part 3296W-1-103LF, Digikey Part Number=3296W-103LF-ND, Manufacturer="Bournes Inc", Rated Voltage=0.5W, Tolerance=0.1, Part Number=3296W-1-103LF
R40 R46 R51 R52 R69 R70: library part RC0805FR075K6L, Manufacturer=YAGEO, Rated Voltage=0.125W, Tolerance=0.01, Material=FR-07, Part Number=RC0805FR075K6L
R41: library part RC0805FR071ML, Manufacturer=YAGEO, Rated Voltage=0.125W, Tolerance=0.01, Material=FR-07, Part Number=RC0805FR071ML
R44 R57 R62: library part RC0805FR073KL, Manufacturer=YAGEO, Rated Voltage=0.125W, Tolerance=0.01, Material=FR-07, Part Number=RC0805FR073KL
R47 R48 R49 R50: library part MMA02040C3303FB300, Digikey Part Number=MMA-330KACT-ND, Manufacturer="Vishay Beyschlag", Rated Voltage=0.4W, Tolerance=0.01, Part Number=MMA02040C3303FB300
R54: library part MMA02040C1002FB300, Digikey Part Number=MMA-10KACT-ND, Manufacturer="Vishay Beyschlag", Rated Voltage=0.4W, Tolerance=0.01, Part Number=MMA02040C1002FB300
R55 R71: library part RC0805FR0730KL, Manufacturer=YAGEO, Rated Voltage=0.125W, Tolerance=0.01, Material=FR-07, Part Number=RC0805FR0730KL
R63: library part RC0805FR072KL, Manufacturer=YAGEO, Rated Voltage=0.125W, Tolerance=0.01, Material=FR-07, Part Number=RC0805FR072KL
R77: library part RC0805FR0720KL, Manufacturer=YAGEO, Rated Voltage=0.125W, Tolerance=0.01, Material=FR-07, Part Number=RC0805FR0720KL
SERIAL1: library part "TH 2.54mm Header 1x4", Angle=0, Contact=NA, Flange=No, Part Number="TH 2.54mm Header 1x4", Pitch=2.54mm, Positions=4, Row Spacing=2.54mm
STLINK1: library part "TH 2.54mm Header 2x5", Angle=0, Contact=NA, Flange=No, Part Number="TH 2.54mm Header 2x5", Pitch=2.54mm, Positions=10, Row Spacing=2.54mm
U1: "Isolated CAN Transceiver", Digikey Part Number=ADM3053BRWZ-ND, Manufacturer="Analogue Devices", Digikey Link=https://www.digikey.com/product-detail/en/analog-devices-inc/ADM3053BRWZ/ADM3053BRWZ-ND/2709332, Part Number=ADM3053
U2: "100µH @ 100kHz 2 Line Common Mode Choke Surface Mount 5.8 kOhms @ 10MHz 150mA DCR 2Ohm", Digikey Part Number=495-4598-1-ND, Inductance="100µH @ 100kHz", Manufacturer="EPCOS (TDK)", Rated Current=150mA, Digikey Link=https://www.digikey.com/product-detail/en/epcos-tdk/B82787C0104H002/495-4598-2-ND/3680998, Impedence="5.8 kOhms @ 10MHz", Material=Wirewound, Part Number=B82787C0104H002
U3: "Dual Line CAN Bus Protector", Digikey Part Number=NUP2105LT1GOSCT-ND, Manufacturer="ON Semiconductor", Digikey Link=https://www.digikey.com/product-detail/en/on-semiconductor/NUP2105LT1G/NUP2105LT1GOSCT-ND/1485001, Part Number=NUP2105L
U4: "RELAY REED HV SPST 200W 3A 5V (NC)", Digikey Part Number=1835-1039-ND, Manufacturer="Comus International", Digikey Link=https://www.digikey.com.au/product-detail/en/comus-international/3350-4275-056/1835-1039-ND/7515921, Part Number=3350-4275-056
U5 U10 U11 U17 U19: "35V 50ma Optocoupler (VF=1.2V)", Digikey Part Number=160-1893-2-ND, Manufacturer="Lite-On Inc", Digikey Link=https://www.digikey.com/product-detail/en/lite-on-inc/LTV-817S-TA1/160-1893-2-ND/388451, Part Number=LTV-817S-TA1
U6: "ARM® Cortex®-M3 STM32F1 Microcontroller IC 32-Bit 72MHz 64KB (64K x 8) FLASH", Digikey Part Number=497-6063-ND, Manufacturer=STMicroelectronics, Digikey Link=https://www.digikey.com/product-detail/en/stmicroelectronics/STM32F103C8T6/497-6063-ND/1646338, Part Number=STM32F103C8T6
U7: "IC REG LINEAR 3.3V 300MA SOT23-5", Digikey Part Number=1028-1014-1-ND, Manufacturer=Richtek, Digikey Link=https://www.digikey.com/products/en?keywords=1028-1014-1-ND, Part Number=RT9193-33GB
U8: "CONV DC/DC 1A 5V OUT SIP VERT", Digikey Part Number=945-1395-5-ND, Manufacturer=Recom, Digikey Link=https://www.digikey.com.au/product-detail/en/recom-power/R-78C5.0-1.0/945-1395-5-ND/2652148, Isolation=Non-Isolated, Part Number=R-78C5.0-1.0
U9: "DC DC CONVERTER 5V 4W", Digikey Part Number=JTC0424S05-ND, Input Voltage=9V-36V, Manufacturer="XP Power", Output Power=4W, Output Voltage=5V, Digikey Link=https://www.digikey.com/products/en?keywords=%20JTC0424S05, Efficiency=0.79, Isolation=Isolated, Part Number=JTC0424S05
U12 U18 U20: "IC COMP LO PWR SGL V SOT 23-5L", Digikey Part Number=497-2275-2-ND, Manufacturer=STMicroelectronics, Digikey Link=https://www.digikey.com/product-detail/en/stmicroelectronics/TS391ILT/497-2275-2-ND/599407, Part Number=TS391ILT
U13: "IC OPAMP GP 4 CIRCUIT 14SOIC", Digikey Part Number=296-1390-5-ND, Manufacturer="Texas Instruments", Digikey Link=https://www.digikey.com/product-detail/en/texas-instruments/LM324D/296-1390-5-ND/277039, Part Number=LM324D
U14: "General Purpose Digital Isolator 2500Vrms 4 Channel 1Mbps 25kV/µs CMTI 16-SOIC (0.295\", 7.50mm Width)", Digikey Part Number=ADUM1400WSRWZ-ND, Manufacturer="Analog Devices", Digikey Link=https://www.digikey.com/product-detail/en/analog-devices-inc/ADUM1400WSRWZ/ADUM1400WSRWZ-ND/1873713, Part Number=ADuM1400
U15 U21: "16 Bit Analog to Digital Converter 2, 4 Input 1 Sigma-Delta 10-VSSOP", Digikey Part Number=296-38849-1-ND, Manufacturer="Texas Instruments", Digikey Link=https://www.digikey.com/product-detail/en/texas-instruments/ADS1115IDGSR/296-38849-1-ND/5142969, Part Number=ADS1115
U16 U22: "I²C Digital Isolator 2500Vrms 2 Channel 25kV/µs CMTI 20-SSOP (0.209\", 5.30mm Width)", Digikey Part Number=ADM3260ARSZ-RL7CT-ND, Manufacturer="Analog Devices", Digikey Link=https://www.digikey.com/product-detail/en/analog-devices-inc/ADM3260ARSZ-RL7/ADM3260ARSZ-RL7CT-ND/5233040, Part Number=ADM3260
U23: "IC OSC SGL TIMER 100KHZ 8-SOIC", Digikey Part Number=296-6501-1-ND, Manufacturer="Texas Instruments", Digikey Link=https://www.digikey.com.au/product-detail/en/texas-instruments/NE555DR/296-6501-1-ND/372490, Part Number=NE555DR
X1: library part ABLS-16.000MHZ-B4-T, Digikey Part Number=535-10226-1-ND, Load Capacitance=18pF, Manufacturer="Abracon LLC", Digikey Link=https://www.digikey.com/product-detail/en/abracon-llc/ABLS-16.000MHZ-B4-T/535-10226-1-ND/2184261, ESR=40R, Part Number=ABLS-16.000MHZ-B4-T
X2: library part "FC-135 32.7680KA-A5", Digikey Part Number=SER4103TR-ND, Load Capacitance=12.5pF, Manufacturer=EPSON, Digikey Link=https://www.digikey.com/product-detail/en/epson/FC-135-32.7680KA-A5/SER4103TR-ND/5259895, ESR=70k, Part Number="FC-135 32.7680KA-A5"

## Free pads (board coordinates)
  round 9 hole 4.3: 0(35,132.5) 2(137.5,132.5) 3(137.5,20) 4(35,20)

## Via types
v1: diameter 0.66, hole 0.33, Top Layer to Bottom Layer, 193 vias

## Nets (pads, with @x,y where several pads share a name; then routed paths per layer and width w, separated by ;. In a path a pad name is that pad's centre, name@x,y a point inside that pad or via, vN(x,y) a via of type N, cw(c..) or ccw(c..) an arc to the next point about the centre after c; other vN are vias at no path point)
0V: C27.1 C28.1 R25.1 U8.2
"0V (ISO)": 3.1 "PCB NTC1.1" BOOT1.5 BOOT1.6 C1.1 C2.1 C7.1 C8.1 C14.1 C15.1 C16.1 C17.1 C18.1 C19.1 C20.1 C21.1 C22.1 C23.1 C24.1 C25.1 C26.1 C31.1 C36.1 C42.1 C43.1 C44.1 C45.1 C56.1 C57.1 C58.1 C59.1 P1.A1 P1.A12 P1.B1 P1.B12 P1.P1 Q1.S Q2.S R11.1 R13.1 R14.1 R22.2 R23.2 R26.1 R29.1 R32.1 SERIAL1.4 STLINK1.1 U1.1 U1.3 U1.7 U1.9 U1.10 U5.3 U6.8 U6.23 U6.35 U6.47 U7.2 U9.16 U14.9 U14.15 U16.1 U16.5 U16.7 U16.8 U16.10 U19.3 U22.1 U22.5 U22.7 U22.8 U22.10 | length 118.6
  Top Layer w0.203: U1.1@33.561,88.345 33.589,88.317 v1(33.589,86.112) ; v1(35,54.9) 35,53.548 R23.2@35.11,53.438 ; v1(36.078,86.112) 36.089,86.124 36.089,88.333 U1.3@36.101,88.345 ; v1(37.4,54.8) 37.4,53.464 R22.2@37.426,53.438 ; v1(38.6,57.75) 38.6,59.319 C26.1@38.631,59.35 ; C25.1@38.6,72.65 v1(38.6,74.05) ; U1.7@41.181,88.345 41.181,82.769 C2.1@41.2,82.75 C1.1@41.2,79.25 v1(41.2,77.65) ; U1.9@43.721,88.345 43.721,86.729 44.1,86.35 44.991,86.35 ; v1(44.3,38.5) 44.303,38.497 44.303,36.599 U19.3@44.306,36.596 ; U1.10@44.991,88.345 44.991,86.35 ; v1(45,79.15) 45,80.738 C8.1@44.962,80.776 C7.1@44.962,84.776 44.991,84.805 44.991,86.35 ; v1(49,37.6) 49.599,37.001 U22.10@49.599,36.046 ; v1(49.25,47) 49.25,48.512 C24.1@49.276,48.538 ; U22.8@50.899,36.046 50.899,39.637 C57.1@50.874,39.662 C56.1@50.874,42.226 50.9,42.252 v1(50.9,43.8) ; v1(51.3,56.85) 51.325,56.825 51.325,55.275 U7.2@51.35,55.25 ; v1(51.3,62) 52.812,62 C20.1@52.838,61.974 ; v1(51.5,37.7) 51.525,37.675 51.525,36.07 U22.7@51.549,36.046 ; C18.1@52.426,48.488 52.5,48.414 v1(52.5,47) ; v1(52.6,37.7) 52.6,37.576 52.849,37.327 U22.5@52.849,36.046 ; C17.1@54.2,58.75 54.3,58.65 v1(55.7,58.65) ; v1(54.6,46.95) 54.6,48.387 C19.1@54.71,48.497 ; v1(55.3,43.7) 55.3,42.289 C58.1@55.363,42.226 C59.1@55.363,39.662 55.456,39.569 55.456,36.053 U22.1@55.449,36.046 ; U6.8@57.85,58.55 58.85,58.55 v1(59.4,58) ; Q2.S@57.85,83.9 57.875,83.875 57.875,82.425 v1(57.9,82.4) ; R11.1@58,48.388 58.1,48.288 v1(58.1,46.75) ; v1(58.05,37.6) 59.65,37.6 C15.1@59.75,37.5 ; C23.1@59.3,69.6 v1(59.3,71) ; U6.47@59.85,63.55 59.85,65.85 v1(61,67) ; v1(64.8,48.6) 64.8,50 C21.1@64.9,50.1 ; R14.1@65.65,43.8 v1(67.2,43.8) ; R13.1@65.662,41.15 65.712,41.1 v1(67.2,41.1) ; U6.35@66.35,61.55 68.426,61.55 68.776,61.9 v1(68.9,61.9) ; C22.1@70.162,63.626 70.188,63.6 v1(71.65,63.6) ; C16.1@70.65,37.6 70.75,37.5 v1(72.25,37.5) ; U14.9@71.79,88.453 71.795,88.448 71.795,86.105 v1(71.8,86.1) ; v1(79.35,83.15) C36.1@79.35,84.55 79.41,84.61 U14.15@79.41,88.403 ; v1(79.5,56.7) 81.08,56.7 C45.1@81.105,56.725 C44.1@83.975,56.725 84.047,56.653 U16.5@87.606,56.653 ; v1(79.6,54.7) 81.049,54.7 C42.1@81.074,54.675 C43.1@83.944,54.675 83.972,54.703 85.5,54.703 ; v1(80.2,41.5) Q1.S@81.5,41.5 ; v1(86.1,59.7) 86.547,59.253 U16.1@87.606,59.253 ; v1(86.2,53.4) 86.202,53.402 87.605,53.402 U16.10@87.606,53.403 ; U16.8@87.606,54.703 85.5,54.703 ; U16.7@87.606,55.353 85.953,55.353 85.6,55 85.6,54.803 85.5,54.703
  other v1: 50.9,51.4
"3.3V (ISO)": BOOT1.1 BOOT1.2 C18.2 C19.2 C20.2 C21.2 C22.2 C23.2 D3.A D4.A SERIAL1.1 STLINK1.7 STLINK1.8 U6.1 U6.9 U6.24 U6.36 U6.48 U7.5 | length 26.1
  Top Layer w0.203: C20.2@54.738,61.974 C20.2@54.8,62.036 ; v1(54.8,63.6) C20.2@54.8,62.036 ; v1(55.5,57.5) 56.05,58.05 U6.9@57.85,58.05 ; v1(57.8,67.7) C23.2@59.3,67.7 59.35,67.65 U6.48@59.35,63.55 ; U6.1@57.85,62.05 54.814,62.05 C20.2@54.8,62.036 ; v1(60.2,46.75) 60.2,48.383 D3.A@60.205,48.388 ; U6.24@64.85,55.05 64.85,52.05 C21.2@64.9,52 v1(66.5,52) ; U6.36@66.35,62.05 67.95,62.05 68.262,62.362 C22.2@68.262,63.626 68.3,63.664 v1(68.3,65.2) ; D4.A@70.712,43.8 70.812,43.7 v1(72.6,43.7)
  other v1: 53.75,51.75 54.75,51.75 55.75,51.75 53.75,53.25 54.75,53.25 55.75,53.25
5kW: 4.1 P2.8 R42.2 U14.3 | length 9.5
  Top Layer w0.203: U14.3@78.14,98.156 78.237,98.253 78.237,99.437 v1(78.7,99.9) ; R42.2@84.224,102.512 84.3,102.436 v1(84.3,101.2)
  Bottom Layer w0.203: v1(78.7,99.9) 83,99.9 v1(84.3,101.2)
"5kW (ISO)": U6.30 U14.14 | length 42.7
  Top Layer w0.203: U6.30@66.35,59.05 68.414,59.05 69.064,58.4 v1(69.232,58.4) ; v1(78.1,86.6) 78.12,86.62 78.12,88.434 U14.14@78.14,88.454
  Bottom Layer w0.203: v1(69.232,58.4) 73.736,58.4 77.5,62.164 77.5,72.7 74.7,75.5 74.7,79.7 79.1,84.1 79.1,85.6 v1(78.1,86.6)